# Altium PCB ISS_LAB_PCB.PcbDoc (part 3 of 8) (continued)
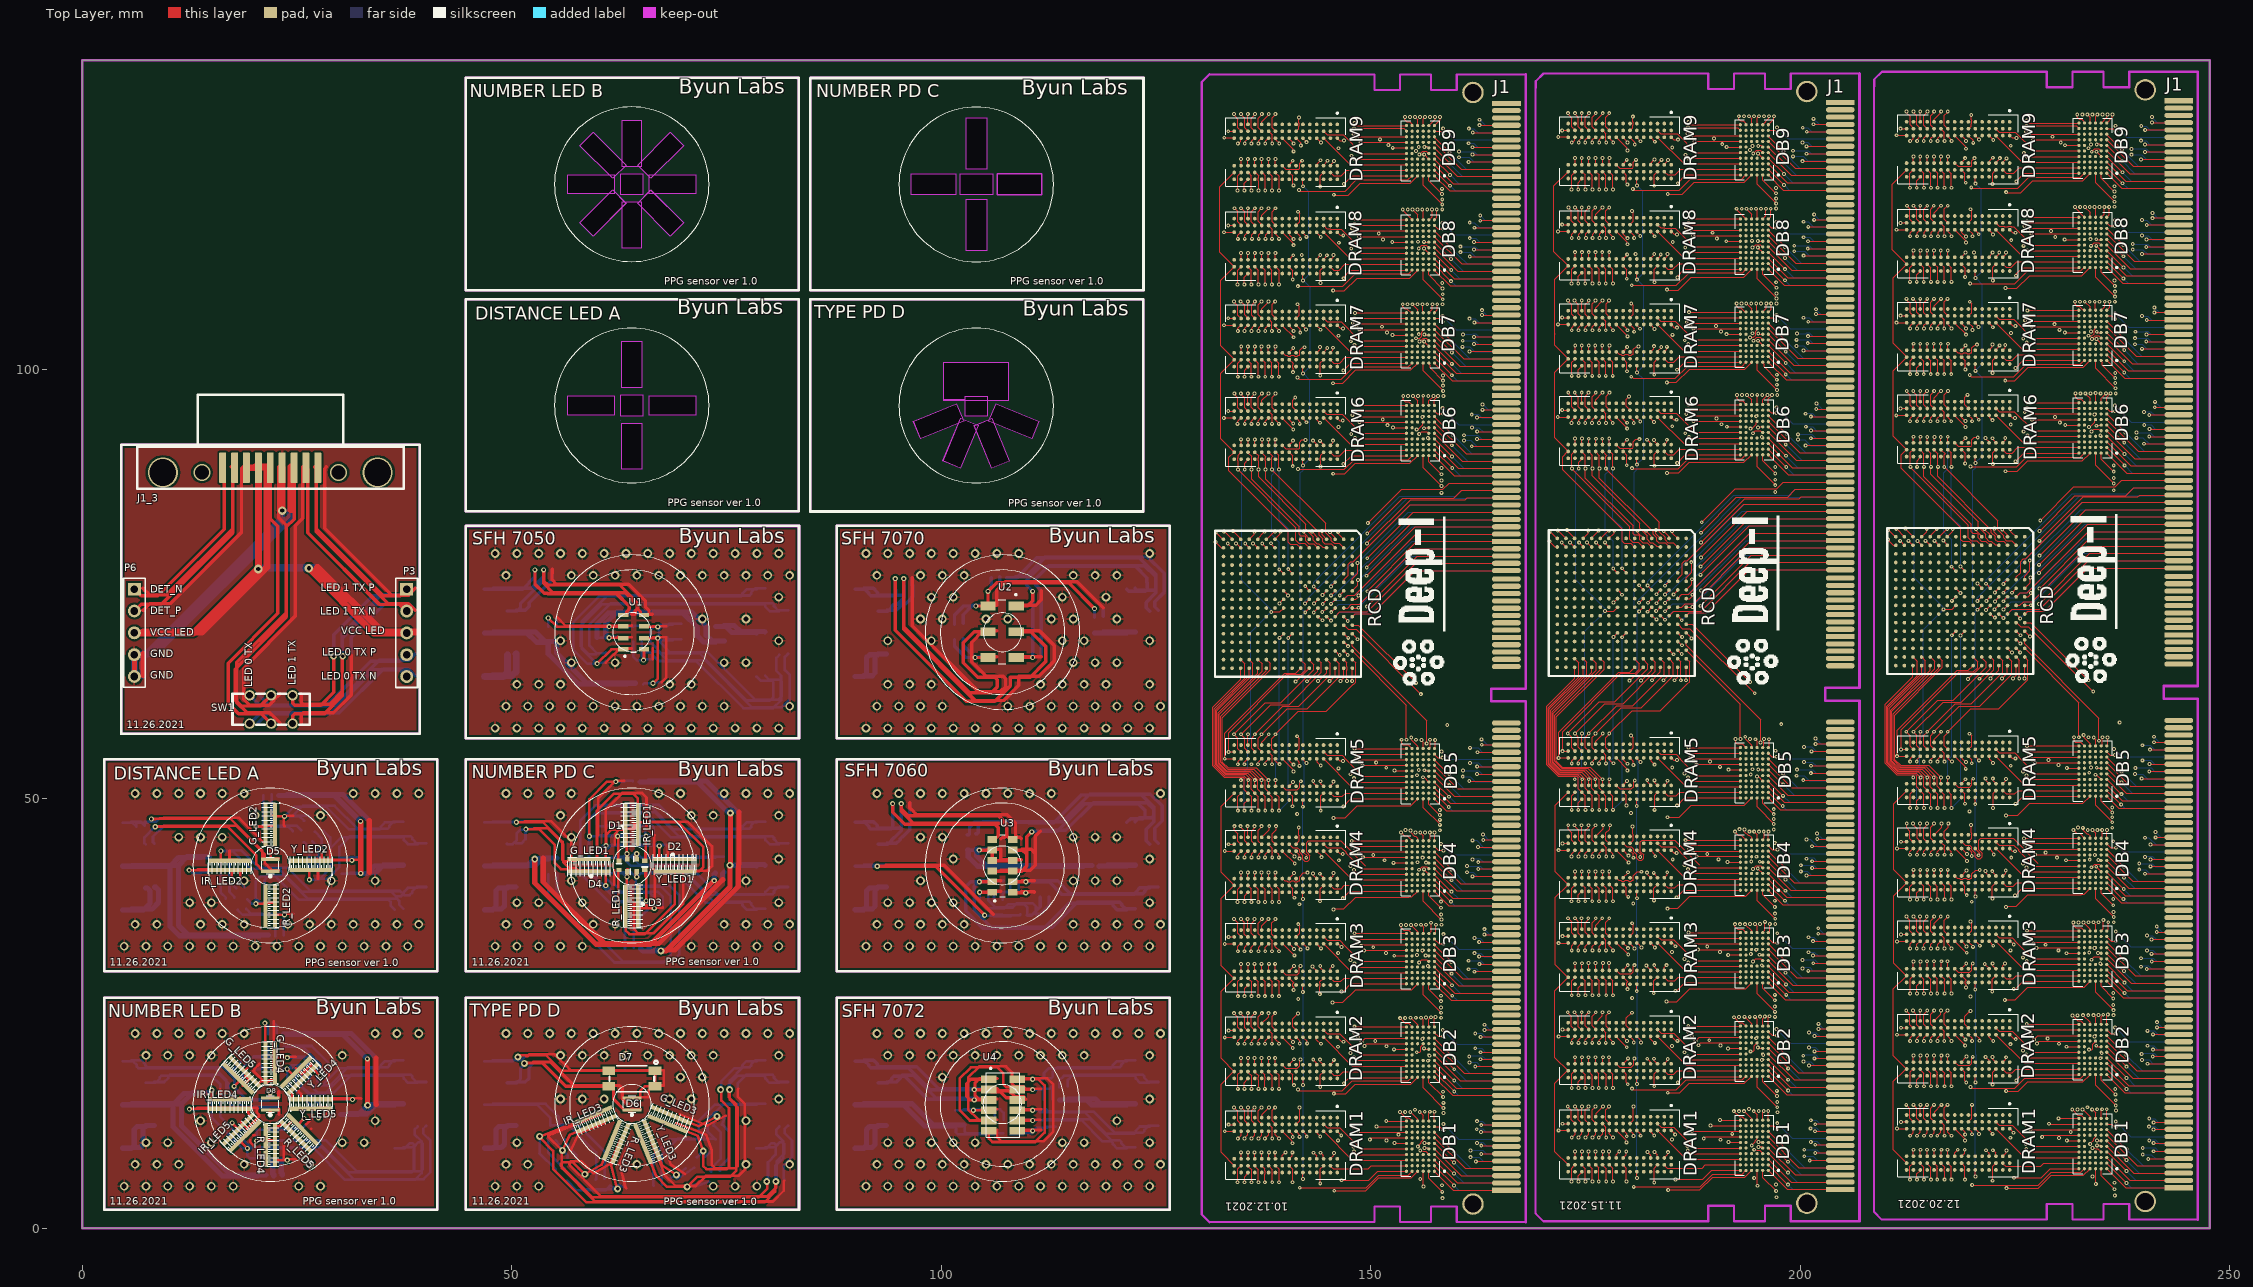
[diagram p0: Top Layer view]
## Nets (pads, with @x,y where several pads share a name; then routed paths per layer and width w, separated by ;. In a path a pad name is that pad's centre, name@x,y a point inside that pad or via, vN(x,y) a via of type N, cw(c..) or ccw(c..) an arc to the next point about the centre after c; other vN are vias at no path point) (continued)
138.517,12.503 138.912,12.108 138.912,12.071 ; v1(138.873,19.793) 138.892,19.773 138.892,19.043 138.912,19.023 ; v1@138.873,25 138.526,24.652 138.526,23.417 138.912,23.03 138.912,23.023 ; v1(138.873,30.765) 138.892,30.746 138.892,29.92 138.912,29.9 ; v1(138.873,107.88) 138.526,107.532 138.526,106.322 138.912,105.936 138.912,105.899 ; v1@138.898,35.922 138.498,35.522 138.498,34.239 138.837,33.9 138.912,33.9 ; v1@138.898,41.383 138.898,40.709 138.912,40.695 ; v1@138.898,57.385 138.498,56.985 138.498,55.829 138.889,55.438 138.912,55.438 ; v1(138.898,57.486) 141.565,60.153 144.842,60.153 147.976,63.287 148.003,63.287 148.242,63.526 148.242,65.806 147.858,66.19 ; v1(138.898,91.827) 138.912,91.813 138.912,91.119 ; v1(138.898,113.519) 138.898,112.738 138.912,112.724 ; v1(138.898,118.726) 138.517,118.345 138.517,117.151 138.912,116.756 138.912,116.724 ; v1@138.898,129.622 138.517,129.241 138.517,128.098 138.912,127.704 138.912,127.691 ; 138.912,7.271 139.33,6.853 139.33,6.636 139.326,6.631 139.326,6.311 139.33,6.306 v1(139.33,5.34) ; 138.912,11.271 138.912,10.864 v1(139.33,10.445) ; 138.912,18.223 139.33,17.805 139.33,17.588 139.326,17.583 139.326,17.263 139.33,17.258 v1(139.33,16.211) ; 138.912,22.223 138.912,22.014 v1@139.33,21.596 ; 138.912,29.1 139.33,28.682 139.33,28.465 139.326,28.46 139.326,28.14 139.33,28.135 v1(139.33,27.006) ; 138.912,33.1 138.912,32.784 v1@139.33,32.366 ; 138.912,39.895 139.33,39.477 139.33,39.26 139.326,39.255 139.326,38.935 139.33,38.93 v1@139.33,38.03 ; 138.912,43.895 139.305,43.502 v1@139.305,43.313 ; 138.912,44.695 138.888,44.695 138.517,45.066 138.517,45.904 138.975,46.361 v1@138.975,46.742 ; 138.912,50.638 138.912,50.589 139.33,50.171 139.33,50.003 139.326,49.998 139.326,49.678 139.33,49.673 v1(139.33,48.596) ; 138.912,51.438 138.924,51.45 v1(138.924,52.152) v1@138.924,52.228 ; 138.912,54.638 138.912,54.399 139.298,54.013 v1(139.402,54.013) ; 138.912,90.319 138.959,90.319 139.305,89.973 139.305,88.373 v1@139.33,88.347 ; 138.912,94.319 138.912,94.099 v1@139.305,93.707 ; 138.912,95.119 138.912,95.141 138.526,95.527 138.526,96.737 v1@138.924,97.136 ; 138.912,101.099 138.912,101.084 139.305,100.692 v1(139.305,99.117) ; 138.912,101.899 138.912,102.61 v1@138.924,102.622 ; 138.912,105.099 138.912,104.945 v1@139.33,104.527 ; 138.912,111.924 138.918,111.924 139.33,111.512 139.33,111.289 139.326,111.284 139.326,110.964 139.33,110.959 v1@139.33,109.963 ; 138.912,115.924 138.912,115.74 v1@139.33,115.322 ; 138.912,122.891 138.912,122.878 139.33,122.459 139.33,122.256 139.326,122.251 139.326,121.931 139.33,121.926 v1@139.33,120.935 ; 138.912,123.691 138.912,124.454 v1(138.924,124.466) ; 138.912,126.891 138.912,126.789 v1@139.356,126.346 ; v1(139.356,76.689) 139.357,76.689 139.856,76.19 139.858,76.19 ; v1(139.381,68.713) 139.858,69.19 ; v1(139.381,72.726) 139.845,73.19 139.858,73.19 ; 139.712,8.071 139.712,8.465 v1(140.067,8.82) ; 139.712,11.271 140.861,10.122 140.861,9.93 v1(140.905,9.887) ; 139.712,19.023 140.098,18.637 141.472,18.637 141.726,18.89 141.726,19.546 v1(141.819,19.64) ; 139.712,22.223 139.712,22.201 140.93,20.983 v1(140.93,20.961) ; 139.712,29.9 140.098,29.514 141.472,29.514 141.698,29.74 141.698,30.39 v1(141.819,30.511) ; 139.712,33.1 139.738,33.1 141.082,31.756 v1(141.108,31.756) ; 139.712,40.695 139.99,40.417 140.243,40.417 140.352,40.309 140.672,40.309 140.781,40.417 141.043,40.417 141.152,40.309 141.472,40.309 141.581,40.417 141.718,40.417 141.718,40.929 142.172,41.383 v1(142.632,41.383) ; 139.713,43.895 v1(141.159,42.449) ; 139.712,51.438 140.098,51.052 141.472,51.052 141.726,51.305 141.726,51.875 v1(141.87,52.02) ; 139.712,54.638 140.963,53.387 140.963,53.212 v1(141.007,53.168) ; 139.712,91.119 139.712,91.115 140.118,90.709 141.616,90.709 141.718,90.811 141.718,91.471 141.997,91.751 v1(142.404,91.751) ; 139.712,94.319 139.712,94.279 140.981,93.01 v1(140.981,92.97) ; 139.712,101.899 139.774,101.899 140.067,101.606 140.258,101.606 140.352,101.513 140.672,101.513 140.766,101.606 141.058,101.606 141.152,101.513 141.472,101.513 141.566,101.606 141.718,101.606 141.718,102.19 142.035,102.508 142.264,102.508 v1(142.302,102.546) ; 139.712,105.099 139.712,105.067 141.032,103.747 v1(141.032,103.714) ; 139.712,115.924 140.988,114.648 140.988,114.477 v1(141.032,114.433) ; 139.712,123.691 140.105,123.298 141.642,123.298 141.718,123.374 141.718,123.983 141.997,124.263 v1(142.023,124.263) ; 139.712,126.891 140.988,125.615 140.988,125.399 v1(141.032,125.355) ; 139.858,74.19 140.372,73.676 v1(140.372,73.641) ; v1(140.397,68.688) 140.397,68.729 140.858,69.19 ; v1(140.397,76.714) 140.397,76.683 140.858,76.222 140.858,76.19 ; 140.512,7.271 140.512,7.232 140.898,6.845 140.898,5.347 v1(140.905,5.34) ; 140.512,8.071 140.88,8.439 v1(140.88,8.82) ; 140.512,11.271 140.918,10.865 140.918,10.61 v1(140.93,10.598) ; 140.512,18.223 140.905,17.83 140.905,16.857 141.057,16.705 v1(141.057,16.643) ; 140.512,19.023 140.512,19.059 141.083,19.63 v1(141.083,19.666) ; 140.512,22.223 140.512,22.17 140.956,21.726 v1(140.956,21.672) ; 140.512,29.1 141.032,28.58 141.032,28.567 140.926,28.46 140.926,28.14 141.032,28.033 v1(141.032,27.717) ; 140.512,29.9 140.512,29.933 141.057,30.478 v1(141.057,30.511) ; 140.512,33.1 140.512,33.082 141.083,32.511 v1(141.083,32.493) ; 140.512,39.895 140.902,39.505 140.902,38.668 v1(141.108,38.462) ; 140.512,40.695 140.512,40.728 141.083,41.299 v1(141.083,41.332) ; 140.512,43.895 140.512,43.889 141.134,43.268 v1(141.134,43.262) ; 140.512,44.695 140.926,44.281 141.472,44.281 141.726,44.028 141.726,43.735 142.106,43.355 142.106,42.949 142.338,42.717 142.666,42.717 142.899,42.949 142.899,43.362 142.526,43.735 142.526,44.855 142.752,45.081 146.503,45.081 149.392,42.192 ; 140.512,50.638 140.54,50.638 140.905,50.273 v1(140.905,49.104) ; 140.512,51.438 140.512,51.472 140.956,51.915 v1(140.956,51.949) ; 140.512,54.638 140.58,54.57 140.58,54.357 140.981,53.956 v1(141.032,53.956) ; 140.512,90.319 140.93,89.901 140.93,89.684 140.926,89.679 140.926,89.359 140.93,89.354 v1(140.93,88.703) ; 140.512,91.119 140.512,91.175 140.956,91.619 v1(140.956,91.675) ; 140.512,94.319 140.549,94.282 140.549,94.037 140.93,93.656 v1(140.981,93.656) ; 140.512,101.099 140.956,100.655 140.956,100.489 140.926,100.459 140.926,100.139 140.956,100.109 v1(140.956,99.65) ; 140.512,101.899 140.512,101.95 140.981,102.419 v1(140.981,102.47) ; 140.512,105.099 140.512,105.007 141.032,104.487 v1(141.032,104.425) ; 140.512,111.924 140.512,111.88 140.93,111.461 140.93,111.289 140.926,111.284 140.926,110.964 140.93,110.959 v1(140.93,110.42) ; 140.512,112.724 140.512,112.76 140.981,113.229 v1(140.981,113.265) ; 140.512,115.924 140.556,115.88 140.556,115.595 141.007,115.144 v1(141.032,115.144) ; 140.512,122.891 140.512,122.878 140.905,122.485 140.905,121.596 140.963,121.538 140.963,121.436 v1(141.007,121.393) ; 140.512,123.691 140.512,123.783 140.93,124.201 v1(140.93,124.263) ; 140.512,126.891 140.512,126.84 141.032,126.32 v1(141.032,126.269) ; v1(141.21,96.704) 140.905,96.399 140.905,95.561 141.312,95.154 141.312,95.119 ; v1(141.261,63.633) 141.301,63.633 142.858,65.19 ; 141.312,11.271 141.693,10.89 141.693,10.648 v1(141.718,10.623) ; 141.312,12.071 141.718,12.477 v1(141.718,14.052) ; 141.312,22.223 141.743,21.792 v1(141.743,21.494) ; 141.312,23.023 140.902,23.433 140.902,24.387 141.489,24.974 v1(141.54,24.974) ; 141.312,33.1 141.312,33.036 141.845,32.504 v1(141.845,32.442) ; 141.312,33.9 141.718,34.306 141.718,35.174 141.565,35.326 v1(141.565,35.388) ; 141.312,43.895 141.312,43.843 141.702,43.453 v1(141.702,43.013) ; 141.312,44.695 141.698,45.081 141.698,45.655 141.616,45.737 v1(141.616,46.64) ; 141.312,54.638 141.702,54.248 v1(141.702,53.813) ; 141.312,55.438 141.698,55.824 141.698,56.998 v1(141.438,57.258) ; 141.312,94.319 141.734,93.897 141.734,93.64 v1(141.743,93.63) ; 141.312,105.099 141.794,104.617 v1(141.794,104.248) ; 141.312,105.899 141.698,106.285 141.698,107.315 v1(141.464,107.55) ; 141.312,115.924 141.794,115.442 v1(141.794,115.17) ; 141.312,116.724 141.718,117.13 141.718,118.12 141.54,118.298 v1(141.54,118.319) ; 141.312,126.891 141.87,126.333 v1(141.87,126.041) ; 141.312,127.691 141.361,127.691 141.642,127.971 141.642,128.274 141.698,128.331 141.698,128.651 141.642,128.708 v1(141.642,129.292) ; v1(141.464,99.015) 141.667,98.812 146.595,98.812 148.034,100.252 154.358,100.252 154.815,100.709 ; v1(141.515,109.658) 146.722,109.658 148.195,111.131 154.412,111.131 154.815,111.534 ; v1(141.54,16.135) 141.667,16.008 146.696,16.008 147.839,17.151 154.397,17.151 154.815,17.569 ; v1(141.54,88.373) 141.591,88.322 146.925,88.322 148.068,89.465 154.351,89.465 154.815,89.929 ; v1(141.642,120.859) 141.769,120.732 147.026,120.732 148.314,122.019 154.333,122.019 154.815,122.501 ; v1(141.743,4.705) 149.465,4.705 150.938,6.178 154.376,6.178 154.815,6.617 ; v1(142.099,27.489) 142.112,27.502 142.112,28.3 ; v1(142.099,49.053) 142.112,49.067 142.112,49.838 ; 142.112,6.471 142.112,5.733 v1(142.124,5.721) ; 142.112,11.271 142.556,10.827 v1(142.556,10.649) ; 142.112,17.423 142.124,17.411 v1(142.124,16.668) ; 142.112,22.223 142.602,21.733 v1(142.602,21.513) ; 142.112,33.1 142.157,33.1 142.638,32.62 v1(142.638,32.572) ; 142.112,39.095 142.112,38.321 v1(142.124,38.309) ; 142.112,43.895 142.112,43.839 142.609,43.342 142.502,43.235 v1(142.502,43.113) ; 142.112,54.638 142.112,54.608 142.531,54.189 v1(142.531,54.159) ; 142.112,89.519 142.112,88.791 v1(142.124,88.779) ; 142.112,94.319 142.112,94.26 142.505,93.867 v1(142.505,93.808) ; 142.112,100.299 142.112,99.51 v1(142.124,99.498) ; 142.112,105.033 v1@142.48,104.665 ; 142.112,111.124 142.112,110.33 v1(142.124,110.318) ; 142.112,115.924 142.112,115.853 142.505,115.46 v1(142.505,115.398) ; 142.112,122.091 142.112,121.303 v1(142.124,121.291) ; 142.112,126.891 142.112,126.866 142.531,126.447 v1(142.531,126.422) ; v1(142.2,81.083) 142.244,81.039 142.244,80.874 142.858,80.26 142.858,80.19 ; v1(142.353,72.701) 142.361,72.701 142.85,73.19 142.858,73.19 ; v1(142.378,71.685) 142.858,72.165 142.858,72.19 ; v1(142.378,74.733) 142.378,74.701 142.858,74.222 142.858,74.19 ; v1(142.581,63.658) 142.658,63.658 143.826,64.827 143.826,65.158 143.858,65.19 ; v1(143.166,81.083) 143.801,80.448 143.801,80.247 143.858,80.19 ; v1(143.216,30.461) 143.216,30.428 143.712,29.933 143.712,29.9 ; v1(143.293,41.281) 143.336,41.237 143.336,41.071 143.712,40.695 ; v1(143.293,91.675) 143.712,91.255 143.712,91.119 ; v1(143.318,19.615) 143.712,19.221 143.712,19.023 ; v1(143.318,52.051) 143.362,52.007 143.362,51.788 143.712,51.438 ; v1(143.343,8.769) 143.712,8.4 143.712,8.071 ; v1(143.369,71.659) 143.369,71.68 143.858,72.169 143.858,72.19 ; v1(143.369,74.707) 143.369,74.693 143.858,74.204 143.858,74.19 ; v1(143.394,72.701) 143.394,72.714 143.858,73.177 143.858,73.19 ; 143.712,11.271 143.712,11.093 v1(144.131,10.674) ; 143.712,22.223 143.674,22.185 143.674,21.952 144.156,21.469 v1(144.207,21.469) ; 143.712,33.1 143.712,33.082 144.207,32.587 v1(144.207,32.569) ; 143.712,43.895 144.214,43.393 144.214,43.23 v1(144.258,43.186) ; 143.712,54.638 143.78,54.57 143.78,54.256 v1(144.182,53.854) ; 143.712,94.319 143.775,94.256 143.775,94.062 144.08,93.757 v1(144.105,93.757) ; 143.712,101.899 144.105,102.292 v1(144.105,102.571) ; 143.712,105.099 143.712,105.06 144.156,104.616 v1(144.156,104.578) ; 143.712,112.724 143.712,112.809 144.131,113.228 v1(144.131,113.29) ; 143.712,115.924 143.712,115.883 144.182,115.414 v1(144.182,115.373) ; 143.712,123.691 143.78,123.759 143.78,123.937 v1(144.156,124.314) ; 143.712,126.891 143.712,126.879 144.207,126.384 v1(144.207,126.371) ; 143.858,71.19 143.912,71.19 144.331,70.77 v1(144.385,70.77) ; v1(143.877,63.684) 144.858,64.665 144.858,65.19 ; v1(144.08,27.235) 144.08,28.121 144.098,28.14 144.098,28.46 144.08,28.479 144.08,28.668 144.512,29.1 ; v1(144.08,41.256) 144.08,41.194 144.512,40.762 144.512,40.695 ; v1(144.105,19.615) 144.149,19.571 144.149,19.386 144.512,19.023 ; v1(144.105,38.055) 144.105,39.488 144.512,39.895 ; v1(144.105,91.649) 144.105,91.587 144.512,91.181 144.512,91.119 ; v1(144.131,5.213) 144.131,6.306 144.126,6.311 144.126,6.631 144.131,6.636 144.131,6.89 144.512,7.271 ; v1(144.131,16.414) 144.131,17.258 144.126,17.263 144.126,17.583 144.131,17.588 144.131,17.842 144.512,18.223 ; v1(144.131,30.511) 144.167,30.475 144.167,30.245 144.512,29.9 ; v1(144.131,99.244) 144.131,100.134 144.126,100.139 144.126,100.459 144.131,100.464 144.131,100.718 144.512,101.099 ; v1(144.131,121.24) 144.131,121.926 144.126,121.931 144.126,122.251 144.131,122.256 144.131,122.51 144.512,122.891 ; v1(144.156,8.769) 144.463,8.462 144.463,8.12 144.512,8.071 ; v1(144.156,52.025) 144.191,51.99 144.191,51.759 144.512,51.438 ; v1(144.156,88.652) 144.156,89.328 144.126,89.359 144.126,89.679 144.156,89.71 144.156,89.963 144.512,90.319 ; v1(144.156,110.013) 144.126,110.044 144.126,111.538 144.512,111.924 ; v1(144.182,48.596) 144.182,50.308 144.512,50.638 ; v1(144.334,81.159) 144.334,80.708 144.852,80.19 144.858,80.19 ; v1(144.359,71.736) 144.404,71.736 144.858,72.19 ; v1(144.385,73.691) 144.385,73.704 144.858,74.177 144.858,74.19 ; v1(144.41,72.65) 144.41,72.696 144.858,73.144 144.858,73.19 ; 144.512,11.271 147.866,7.917 154.165,7.917 ; 144.512,12.071 144.925,11.657 146.424,11.657 148.864,9.217 154.165,9.217 ; 144.512,22.223 147.866,18.869 154.165,18.869 ; 144.512,23.023 144.923,22.612 146.417,22.612 148.86,20.169 154.165,20.169 ; 144.512,33.1 147.866,29.746 154.165,29.746 ; 144.512,33.9 144.924,33.488 146.388,33.488 146.991,32.885 146.991,32.884 148.829,31.046 154.165,31.046 ; 144.512,43.895 147.866,40.541 154.165,40.541 ; 144.512,44.695 144.926,44.281 146.593,44.281 147.143,43.731 147.143,43.653 148.956,41.841 154.165,41.841 ; 144.512,54.638 147.866,51.284 154.165,51.284 ; 144.512,55.438 144.912,55.038 146.682,55.038 147.169,54.552 147.169,54.499 149.084,52.584 154.165,52.584 ; 144.512,94.319 147.602,91.229 154.165,91.229 ; 144.512,95.119 144.522,95.119 144.893,94.748 146.671,94.748 148.89,92.529 154.165,92.529 ; 144.512,101.899 144.512,101.976 144.944,102.408 v1(144.944,102.47) ; 144.512,105.099 147.602,102.009 154.165,102.009 ; 144.512,105.899 144.919,105.492 146.569,105.492 148.752,103.309 154.165,103.309 ; 144.512,112.724 144.849,113.061 144.849,113.221 v1(144.893,113.265) ; 144.512,115.924 147.602,112.834 154.165,112.834 ; 144.512,116.724 144.881,116.355 145.134,116.355 145.152,116.338 145.317,116.338 145.344,116.31 145.472,116.31 145.495,116.287 145.929,116.287 145.952,116.31 146.272,116.31 146.295,116.287 146.595,116.287 148.748,114.134 154.165,114.134 ; 144.512,123.691 144.512,123.748 144.969,124.205 v1(144.969,124.263) ; 144.512,126.891 147.602,123.801 154.165,123.801 ; 144.512,127.691 144.918,127.285 146.79,127.285 148.975,125.101 154.165,125.101 ; 144.858,71.19 144.882,71.19 145.352,70.72 v1(145.375,70.72) ; v1(145.223,63.684) 145.858,64.319 145.858,65.19 ; 145.312,7.271 145.312,7.207 145.634,6.885 149.708,6.885 150.091,7.267 154.165,7.267 ; 145.312,8.071 145.718,8.477 145.718,8.731 v1(145.731,8.744) ; 145.312,18.223 145.722,17.813 146.393,17.813 146.799,18.219 154.165,18.219 ; 145.312,19.023 145.662,19.373 145.662,19.546 v1(145.706,19.589) ; 145.312,29.1 145.698,28.714 146.524,28.714 146.906,29.096 154.165,29.096 ; 145.312,29.9 145.312,30.245 v1(145.579,30.511) ; 145.312,39.895 145.698,39.509 146.549,39.509 146.932,39.891 154.165,39.891 ; 145.312,40.695 145.655,41.038 v1(145.655,41.332) ; 145.312,50.638 145.698,50.252 146.701,50.252 147.083,50.634 154.165,50.634 ; 145.312,51.438 145.636,51.762 145.636,51.931 v1(145.68,51.974) ; 145.312,90.319 145.698,89.933 146.402,89.933 147.048,90.579 154.165,90.579 ; 145.312,91.119 145.601,91.408 145.601,91.672 v1(145.604,91.675) ; 145.312,101.099 145.698,100.713 146.412,100.713 147.059,101.359 154.165,101.359 ; 145.312,101.899 145.604,102.191 v1(145.604,102.495) ; 145.312,111.924 145.699,111.537 146.315,111.537 146.962,112.184 154.165,112.184 ; 145.312,112.724 145.636,113.048 145.636,113.246 v1(145.68,113.29) ; 145.312,122.891 145.698,122.505 146.564,122.505 147.21,123.151 154.165,123.151 ; 145.312,123.691 145.312,123.757 145.731,124.176 v1(145.731,124.237) ; v1(145.375,72.675) 145.375,72.691 145.858,73.174 145.858,73.19 ; v1(145.375,73.666) 145.375,73.687 145.858,74.169 145.858,74.19 ; v1(145.375,74.682) 145.375,74.695 145.858,75.177 145.858,75.19 ; v1(145.401,71.71) 145.401,71.721 145.858,72.179 145.858,72.19 ; v1(145.553,26.27) 146.747,26.27 148.246,27.768 154.787,27.768 155.465,28.446 ; v1(145.604,98.355) 146.722,98.355 148.271,99.904 154.66,99.904 155.465,100.709 ; v1(145.629,87.814) 147.001,87.814 148.22,89.033 154.569,89.033 155.465,89.929 ; v1(145.629,109.15) 145.68,109.099 146.925,109.099 148.423,110.598 154.529,110.598 155.465,111.534 ; v1(145.68,37.09) 145.756,37.166 146.874,37.166 148.246,38.538 154.443,38.538 154.469,38.563 154.787,38.563 155.465,39.241 ; v1(145.68,47.733) 145.706,47.758 147.026,47.758 148.423,49.155 154.636,49.155 155.465,49.984 ; v1(145.706,15.652) 147.103,15.652 148.195,16.745 154.641,16.745 155.465,17.569 ; v1(145.706,120.3) 145.706,120.275 145.731,120.25 147.382,120.25 148.779,121.647 154.611,121.647 155.465,122.501 ; v1(145.756,4.349) 149.439,4.349 150.938,5.848 154.696,5.848 155.465,6.617 ; 145.858,67.19 146.342,66.706 v1(146.391,66.706) ; 145.858,71.19 146.404,71.736 149.592,71.736 155.249,77.393 165.797,77.393 ; 145.858,80.19 145.807,80.241 145.807,80.422 v1@145.283,80.947 ; 146.112,11.271 146.569,10.814 v1(146.569,10.796) ; 146.112,22.223 146.594,21.741 146.779,21.741 v1(146.823,21.698) ; 146.112,33.1 146.216,33.1 v1(146.595,32.721) ; 146.112,43.895 146.44,43.567 v1(146.747,43.567) ; 146.112,54.638 146.164,54.638 146.415,54.387 v1(146.772,54.387) ; 146.112,94.319 146.42,94.011 v1(146.747,94.011) ; 146.112,105.099 146.481,104.73 v1(146.772,104.73) ; 146.112,115.924 146.46,115.576 v1(146.798,115.576) ; 146.112,126.891 146.39,126.613 v1(146.902,126.613) ; v1(146.214,81.057) 146.257,81.014 146.257,80.791 146.858,80.19 ; v1(146.391,73.666) 146.391,73.695 146.858,74.161 146.858,74.19 ; v1(146.493,63.684) 146.858,64.049 146.858,65.19 ; v1(146.595,27.54) 146.638,27.583 146.842,27.583 147.704,28.446 154.165,28.446 ; v1(146.62,5.569) 149.795,5.569 150.843,6.617 154.165,6.617 ; v1(146.747,38.411) 147.577,39.241 154.165,39.241 ; v1(146.798,49.079) 147.703,49.984 154.165,49.984 ; v1(146.798,99.828) 147.679,100.709 154.165,100.709 ; v1(146.802,88.963) 147.768,89.929 154.165,89.929 ; v1(146.849,110.572) 146.849,110.725 147.636,111.512 154.143,111.512 154.165,111.534 ; 146.858,66.19 147.23,65.818 147.23,65.361 147.242,65.349 147.242,65.031 147.23,65.019 v1(147.23,63.684) ; 146.858,67.19 147.316,66.732 v1(147.331,66.732) ; 146.858,68.19 146.914,68.19 v1(147.357,67.748) ; 146.858,69.19 147.335,68.713 v1(147.382,68.713) ; 146.858,70.19 146.921,70.19 147.407,69.704 148.296,69.704 v1(155.84,62.16) ; 146.858,71.19 146.858,71.166 147.331,70.693 v1(147.331,70.669) ; 146.858,72.19 147.315,72.19 147.74,72.615 148.718,72.615 155.197,79.093 165.797,79.093 ; 146.858,73.19 147.334,73.666 148.144,73.666 155.271,80.793 165.797,80.793 ; 146.858,75.19 146.896,75.228 146.896,75.517 147.382,76.003 147.382,77.298 147.687,77.603 147.992,77.603 154.582,84.193 165.797,84.193 ; v1(146.874,16.872) 146.874,16.897 147.509,17.532 154.128,17.532 154.165,17.569 ; v1(146.874,121.545) 147.83,122.501 154.165,122.501 ; v1(147.787,44.483) 154.123,44.483 154.165,44.441 ; v1(147.788,45.066) 147.801,45.078 154.152,45.078 154.165,45.091 ; v1(147.839,63.684) 147.858,63.703 147.858,65.19 ; 147.858,67.19 154.164,60.884 v1@154.164,56.877 ; 147.858,68.19 147.858,67.733 156.511,59.08 v1(156.511,56.431) ; 147.858,69.19 148.474,68.574 v1(148.474,68.561) ; 147.858,70.19 148.572,70.19 v1(155.281,63.481) ; 147.858,71.19 148.2,71.532 150.175,71.532 155.186,76.543 165.797,76.543 ; 147.858,72.19 148.548,72.19 v1(148.576,72.218) ; 147.858,73.19 148.278,73.19 148.55,73.463 148.55,73.615 v1(148.576,73.641) ; 147.858,74.19 148.5,74.832 148.5,75.419 v1(148.525,75.444) ; 147.858,75.19 147.858,75.615 148.474,76.231 148.474,77.4 v1(148.449,77.425) ; v1(148.042,8.947) 148.422,8.567 154.165,8.567 ; v1(148.042,19.894) 148.418,19.519 154.165,19.519 ; v1(148.042,22.79) 148.063,22.769 154.165,22.769 ; v1(148.068,41.687) 148.564,41.191 154.165,41.191 ; v1(148.068,52.381) 148.515,51.934 154.165,51.934 ; v1(148.068,128.022) 153.844,128.022 154.165,127.701 ; v1(148.093,23.45) 148.124,23.419 154.165,23.419 ; v1(148.093,30.816) 148.513,30.396 154.165,30.396 ; v1(148.093,33.636) 148.098,33.641 154.16,33.641 154.165,33.646 ; v1(148.093,102.825) 148.259,102.659 154.165,102.659 ; v1(148.093,124.441) 148.104,124.451 154.165,124.451 ; v1(148.093,128.657) 148.399,128.351 154.165,128.351 ; v1(148.119,34.321) 148.131,34.309 154.152,34.309 154.165,34.296 ; v1(148.119,55.175) 148.123,55.179 154.16,55.179 154.165,55.184 ; v1(148.119,55.835) 148.12,55.834 154.165,55.834 ; v1(148.119,95.154) 148.131,95.142 154.152,95.142 154.165,95.129 ; v1(148.119,95.789) 148.129,95.779 154.165,95.779 ; v1(148.119,105.873) 148.154,105.909 154.165,105.909 ; v1(148.119,113.493) 148.128,113.484 154.165,113.484 ; v1(148.119,116.922) 148.307,116.734 154.165,116.734 ; v1(148.144,117.506) 148.266,117.384 154.165,117.384 ; v1(148.169,91.979) 148.27,91.879 154.165,91.879 ; v1(148.169,106.534) 148.182,106.546 154.152,106.546 154.165,106.559 ; v1(148.195,44.065) v1@148.22,44.09 ; v1(148.246,115.906) 148.267,115.906 148.445,116.084 154.165,116.084 ; v1(148.322,94.265) 148.535,94.479 154.165,94.479 ; v1(148.347,105.06) 148.546,105.259 154.165,105.259 ; v1(148.423,126.879) 148.595,127.051 154.165,127.051 ; v1(148.55,11.182) 148.565,11.167 154.165,11.167 ; v1(148.627,43.643) 148.688,43.643 148.836,43.791 154.165,43.791 ; v1(148.627,115.449) 148.642,115.434 154.165,115.434 ; v1(148.677,104.629) 148.697,104.609 154.165,104.609 ; v1(148.703,54.26) 148.976,54.534 154.165,54.534 ; v1(148.703,93.834) 148.707,93.829 154.165,93.829 ; v1(148.83,126.396) 148.834,126.401 154.165,126.401 ; v1(148.855,32.823) 149.028,32.996 154.165,32.996 ; v1(148.931,21.672) 149.378,22.119 154.165,22.119 ; v1(149.058,53.854) 149.088,53.884 154.165,53.884 ; v1(149.084,43.186) 149.106,43.164 154.142,43.164 154.165,43.141 ; v1(149.236,32.315) 149.252,32.33 154.149,32.33 154.165,32.346 ; v1(149.287,21.19) 149.566,21.469 154.165,21.469 ; v1(149.516,75.952) 155.207,81.643 165.797,81.643 ; v1(149.541,72.345) 155.439,78.243 165.797,78.243 ; v1(149.541,76.917) 155.117,82.493 165.797,82.493 ; v1(149.566,79.711) 154.672,84.817 161.022,84.817 161.248,85.043 165.797,85.043 ; v1(149.592,74.149) 155.386,79.943 165.797,79.943 ; v1(149.592,77.984) 154.951,83.343 165.797,83.343 ; v1(149.592,80.854) 153.707,84.969 159.65,84.969 160.574,85.893 165.797,85.893 ; v1(149.668,82.073) 153.587,85.992 158.389,85.992 159.14,86.743 165.797,86.743 ; v1(149.897,10.318) 150.095,10.517 154.165,10.517 ; v1(150.684,11.842) 150.709,11.817 154.165,11.817 ; v1(151.802,12.477) 151.812,12.467 154.165,12.467 ; v1(152.513,114.789) 152.517,114.784 154.165,114.784 ; v1(152.538,103.968) 152.547,103.959 154.165,103.959 ; v1(152.564,125.761) 152.574,125.751 154.165,125.751 ; v1(152.589,93.199) 152.609,93.179 154.165,93.179 ; v1(152.665,42.526) 152.682,42.508 154.148,42.508 154.165,42.491 ; v1(152.716,20.809) 152.726,20.819 154.165,20.819 ; v1(152.741,31.705) 152.751,31.696 154.165,31.696 ; v1(152.767,9.912) 152.812,9.867 154.165,9.867 ; v1(152.767,53.27) 152.785,53.252 154.147,53.252 154.165,53.234 ; v1(153.402,13.519) 154.062,12.858 154.366,12.858 154.408,12.817 154.465,12.817 154.815,12.467 ; v1(153.427,24.441) 154.037,23.831 154.403,23.831 154.815,23.419 ; v1(153.529,35.287) 153.529,34.982 153.834,34.677 154.434,34.677 154.815,34.296 ; v1(153.529,46.056) 153.925,45.66 154.246,45.66 154.815,45.091 ; v1(153.605,56.851) 153.605,56.419 153.757,56.267 154.382,56.267 154.815,55.834 ; v1(153.732,107.55) 153.732,107.245 153.935,107.042 154.215,107.042 154.697,106.559 154.815,106.559 ; v1@153.732,118.522 153.732,118.467 154.815,117.384 ; v1(153.783,96.882) 153.783,96.45 154.011,96.221 154.418,96.221 154.815,95.824 154.815,95.779 ; v1(153.986,129.343) 153.986,129.013 154.189,128.809 154.519,128.809 154.815,128.514 154.815,128.351 ; v1(154.596,13.519) 155.465,12.649 155.465,12.467 ; v1(154.634,46.301) 154.634,46.067 155.067,45.634 155.221,45.634 155.465,45.39 155.465,45.091 ; v1(154.646,24.492) 155.465,23.673 155.465,23.419 ; v1(154.697,35.287) 155.465,34.519 155.465,34.296 ; 154.723,56.877 154.723,56.849 155.465,56.107 155.465,55.834 ; v1(154.85,107.55) 155.465,106.934 155.465,106.559 ; v1@154.875,118.548 155.465,117.958 155.465,117.384 ; v1@154.926,96.856 155.465,96.317 155.465,95.779 ; v1(155.154,129.343) 155.465,129.032 155.465,128.351 ; v1(155.281,103.587) 155.688,103.587 155.942,103.841 155.942,104.298 156.059,104.415 156.059,104.553 156.115,104.609 ; v1(155.352,92.968) 155.538,92.968 155.517,92.989 156.038,93.51 156.038,93.692 156.145,93.799 156.115,93.829 ; v1(155.358,20.478) 155.688,20.478 155.799,20.59 155.799,21.125 156.032,21.357 156.055,21.357 156.115,21.418 156.115,21.469 ; v1(155.485,9.506) 155.485,9.556 155.876,9.947 155.876,10.076 156.108,10.308 156.115,10.308 156.115,10.517 ; v1(155.586,114.052) 155.942,114.408 156.491,114.408 156.765,114.134 ; v1(155.618,41.713) 155.662,41.713 156.014,42.064 156.542,42.064 156.765,41.841 ; v1(155.637,30.935) 155.637,30.969 155.937,31.269 156.542,31.269 156.765,31.046 ; v1(155.637,92.437) 155.917,92.717 156.5,92.717 156.688,92.529 156.765,92.529 ; v1(155.662,124.999) 156.043,125.38 156.486,125.38 156.765,125.101 ; v1(155.688,103.206) 156.094,103.613 156.461,103.613 156.765,103.309 ; v1(155.713,13.519) 156.115,13.117 156.115,12.467 ; v1(155.764,9.023) 156.023,9.023 156.108,8.939 156.393,8.939 156.765,8.567 ; v1@155.764,46.031 156.115,45.68 156.115,45.091 ; v1(155.866,24.492) 156.115,24.242 156.115,23.419 ; v1(155.866,35.312) 156.15,35.027 156.15,34.332 156.115,34.296 ; v1(155.902,56.813) 155.902,56.789 156.115,56.576 156.115,55.834 ; v1@155.993,118.548 156.115,118.425 156.115,117.384 ; v1(156.002,32.308) 156.002,32.135 156.02,32.117 156.059,32.117 156.059,32.29 v1@156.115,32.346 ; v1(156.002,94.413) 156.002,94.25 155.944,94.308 v1@156.115,94.479 ; v1(156.018,107.55) 156.062,107.506 156.062,106.612 156.115,106.559 ; v1(156.094,52.482) 156.217,52.482 156.765,51.934 ; 156.108,126.394 156.115,126.401 ; 156.115,6.617 156.145,6.587 v1(156.145,4.832) ; 156.115,17.569 156.115,16.317 v1(158.456,13.976) ; 156.115,28.446 156.115,27.163 v1(158.202,25.076) ; 156.115,39.241 156.115,38.034 v1(158.228,35.922) ; 156.115,49.984 156.115,48.956 v1@158.126,46.945 ; 156.115,89.929 156.115,88.53 v1@158.253,86.391 ; 156.115,95.779 156.115,96.902 v1(156.12,96.907) ; 156.115,100.709 156.115,99.782 v1(158.431,97.466) ; 156.115,111.534 156.115,110.399 v1(158.38,108.134) ; 156.115,122.501 156.115,121.397 v1(158.329,119.183) ; 156.115,128.351 156.115,129.135 156.297,129.317 156.297,129.343 v1@156.323,129.368 ; v1(156.192,41.764) 156.765,41.191 ; v1(156.196,20.927) 156.304,20.819 156.765,20.819 ; v1(156.196,114.814) 156.226,114.784 156.765,114.784 ; v1@156.197,114.052 156.765,113.484 ; v1(156.202,93.113) 156.268,93.179 156.765,93.179 ; v1(156.221,103.206) 156.765,102.662 156.765,102.659 ; v1(156.221,124.999) 156.765,124.456 156.765,124.451 ; v1(156.247,53.295) 156.308,53.234 156.765,53.234 ; v1(156.247,104.044) 156.332,103.959 156.765,103.959 ; v1(156.247,125.863) 156.348,125.965 156.526,125.965 156.74,125.751 156.765,125.751 ; v1(156.272,9.335) 156.509,9.335 156.578,9.404 156.765,9.217 ; v1(156.272,9.912) 156.317,9.867 156.765,9.867 ; v1(156.399,31.722) 156.722,31.722 156.73,31.731 156.765,31.696 ; v1(156.424,42.543) 156.476,42.491 156.765,42.491 ; v1(156.652,91.992) 156.652,91.955 156.728,91.879 v1@156.765,91.879 ; v1(156.653,19.48) 156.653,19.631 v1@156.765,19.519 ; v1(156.653,30.503) 156.585,30.503 156.692,30.396 v1@156.765,30.396 ; 156.765,6.617 156.769,6.617 156.769,5.783 v1(158.329,4.222) ; 156.765,12.467 156.765,13.428 v1(156.882,13.544)